# KiCad board motorgo_core_panel.kicad_pcb (continued)
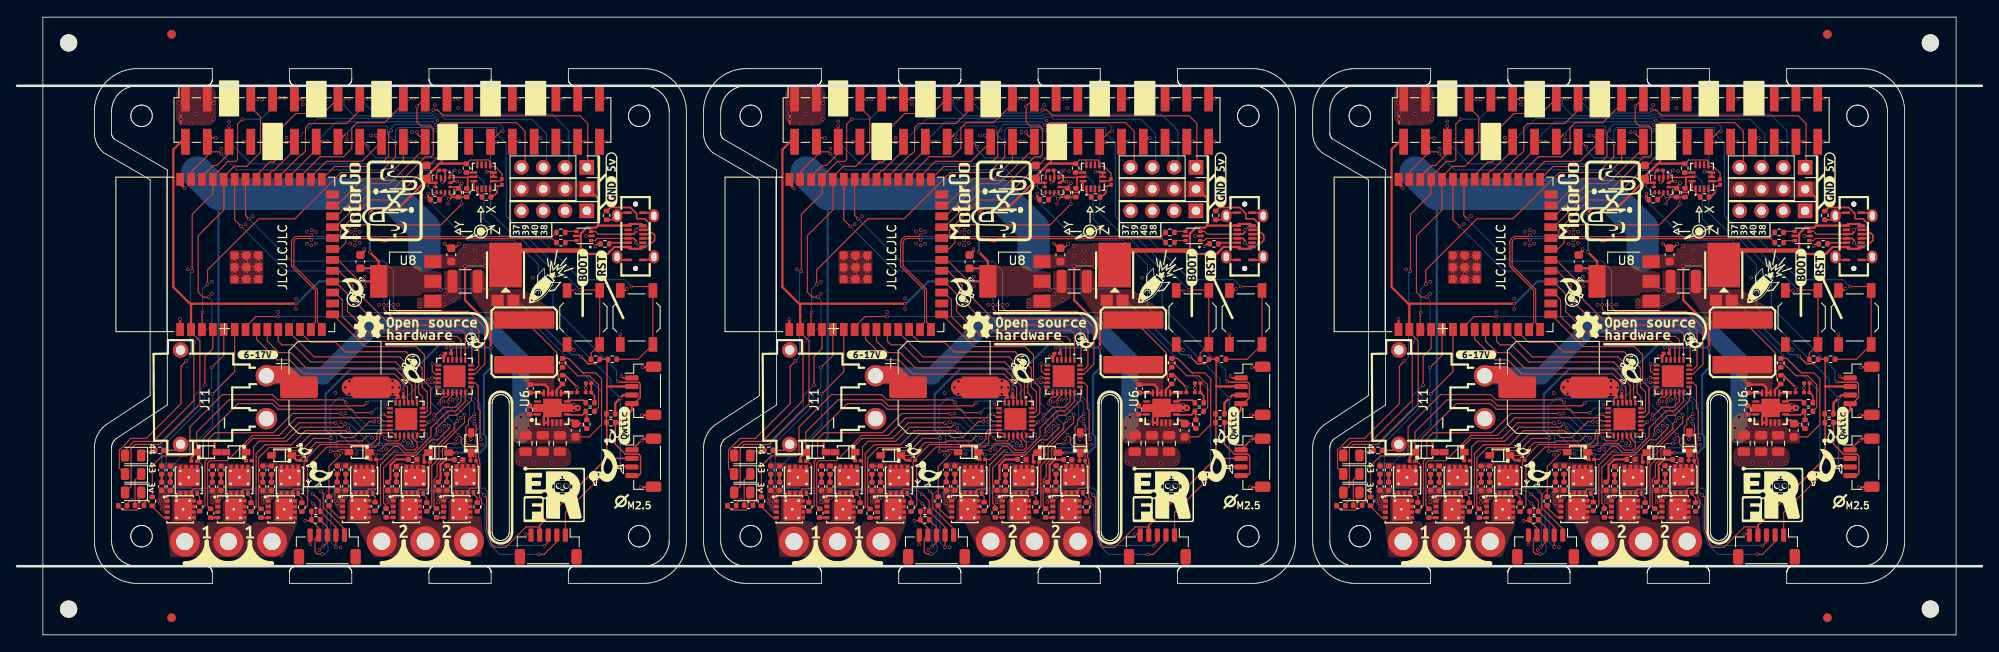
[diagram p0: board, top side]
## Placement (name value [footprint] x y rotation side) (continued)
R14  2R2  [R_0402_1005Metric]  15.75 15.56 90 top
R14#2  2R2  [R_0402_1005Metric]  157.75 15.56 90 top
R14#3  2R2  [R_0402_1005Metric]  86.75 15.56 90 top
R15  2R2  [R_0402_1005Metric]  92.26 14.93 90 top
R15#2  2R2  [R_0402_1005Metric]  21.26 14.93 90 top
R15#3  2R2  [R_0402_1005Metric]  163.26 14.93 90 top
R16  102k  [R_0402_1005Metric]  134.57 31.71 270 top
R16#2  102k  [R_0402_1005Metric]  63.57 31.71 270 top
R16#3  102k  [R_0402_1005Metric]  205.57 31.71 270 top
R17  36.5k  [R_0402_1005Metric]  63.56 29.75 90 top
R17#2  36.5k  [R_0402_1005Metric]  205.56 29.75 90 top
R17#3  36.5k  [R_0402_1005Metric]  134.56 29.75 90 top
R18  53.6k  [R_0402_1005Metric]  130.7 26.2 90 top
R18#2  53.6k  [R_0402_1005Metric]  59.7 26.2 90 top
R18#3  53.6k  [R_0402_1005Metric]  201.7 26.2 90 top
R19  3.92k  [R_0402_1005Metric]  66.78 27.05 0 top
R19#2  3.92k  [R_0402_1005Metric]  208.78 27.05 0 top
R19#3  3.92k  [R_0402_1005Metric]  137.78 27.05 0 top
R20  2R2  [R_0402_1005Metric]  190.88 14.21 90 top
R20#2  2R2  [R_0402_1005Metric]  48.88 14.21 90 top
R20#3  2R2  [R_0402_1005Metric]  119.88 14.21 90 top
R21  2R2  [R_0402_1005Metric]  195.63 14.91 90 top
R21#2  2R2  [R_0402_1005Metric]  53.63 14.91 90 top
R21#3  2R2  [R_0402_1005Metric]  124.63 14.91 90 top
R22  2R2  [R_0402_1005Metric]  114 14.21 90 top
R22#2  2R2  [R_0402_1005Metric]  43 14.21 90 top
R22#3  2R2  [R_0402_1005Metric]  185 14.21 90 top
R23  2R2  [R_0402_1005Metric]  189.75 14.91 90 top
R23#2  2R2  [R_0402_1005Metric]  47.75 14.91 90 top
R23#3  2R2  [R_0402_1005Metric]  118.75 14.91 90 top
R24  53.6k  [R_0402_1005Metric]  208.78 26.05 180 top
R24#2  53.6k  [R_0402_1005Metric]  66.78 26.05 180 top
R24#3  53.6k  [R_0402_1005Metric]  137.78 26.05 180 top
R25  10k  [R_0402_1005Metric]  66.39 24.55 270 top
R25#2  10k  [R_0402_1005Metric]  208.38 24.55 270 top
R25#3  10k  [R_0402_1005Metric]  137.38 24.55 270 top
R26  2R2  [R_0402_1005Metric]  36.35 15.59 90 top
R26#2  2R2  [R_0402_1005Metric]  107.35 15.59 90 top
R26#3  2R2  [R_0402_1005Metric]  178.35 15.59 90 top
R27  2R2  [R_0402_1005Metric]  112.71 14.96 90 top
R27#2  2R2  [R_0402_1005Metric]  183.71 14.96 90 top
R27#3  2R2  [R_0402_1005Metric]  41.71 14.96 90 top
R30  5k1  [R_0402_1005Metric]  69.2 25.76 0 top
R30#2  5k1  [R_0402_1005Metric]  140.2 25.76 0 top
R30#3  5k1  [R_0402_1005Metric]  211.2 25.76 0 top
R31  5k1  [R_0402_1005Metric]  140.21 24.74 0 top
R31#2  5k1  [R_0402_1005Metric]  69.21 24.74 0 top
R31#3  5k1  [R_0402_1005Metric]  211.21 24.74 0 top
R32  5k1  [R_0402_1005Metric]  105.8 14.4 0 top
R32#2  5k1  [R_0402_1005Metric]  34.8 14.4 0 top
R32#3  5k1  [R_0402_1005Metric]  176.8 14.4 0 top
R33  5k1  [R_0402_1005Metric]  34.8 13.4 0 top
R33#2  5k1  [R_0402_1005Metric]  105.8 13.4 0 top
R33#3  5k1  [R_0402_1005Metric]  176.8 13.4 0 top
R38  2k  [R_0402_1005Metric]  193.4 51.54 90 top
R38#2  2k  [R_0402_1005Metric]  122.4 51.54 90 top
R38#3  2k  [R_0402_1005Metric]  51.4 51.54 90 top
R39  2k  [R_0402_1005Metric]  123.4 51.54 90 top
R39#2  2k  [R_0402_1005Metric]  194.4 51.54 90 top
R39#3  2k  [R_0402_1005Metric]  52.4 51.54 90 top
R46  1k  [R_0402_1005Metric]  119.7 50.74 180 top
R46#2  1k  [R_0402_1005Metric]  48.7 50.74 180 top
R46#3  1k  [R_0402_1005Metric]  190.7 50.74 180 top
R49  1k  [R_0402_1005Metric]  196.69 51.04 0 top
R49#2  1k  [R_0402_1005Metric]  125.69 51.04 0 top
R49#3  1k  [R_0402_1005Metric]  54.69 51.04 0 top
R50  1k  [R_0402_1005Metric]  52.37 54.4 90 top
R50#2  1k  [R_0402_1005Metric]  194.37 54.4 90 top
R50#3  1k  [R_0402_1005Metric]  123.37 54.4 90 top
U1  -  [ESP32-S3-WROOM-1]  98.26 44.34 90 top
U1#2  -  [ESP32-S3-WROOM-1]  27.26 44.34 90 top
U1#3  -  [ESP32-S3-WROOM-1]  169.26 44.34 90 top
U2  USBLC6-2P6  [SOT-666]  66.05 46.5 180 top
U2#2  USBLC6-2P6  [SOT-666]  137.05 46.5 180 top
U2#3  USBLC6-2P6  [SOT-666]  208.05 46.5 180 top
U3  FD6288  [FD6288Q_QFN-24]  45.35 25.15 180 top
U3#2  FD6288  [FD6288Q_QFN-24]  187.35 25.15 180 top
U3#3  FD6288  [FD6288Q_QFN-24]  116.35 25.15 180 top
U4  FD6288  [FD6288Q_QFN-24]  192.97 30.15 180 top
U4#2  FD6288  [FD6288Q_QFN-24]  50.97 30.15 180 top
U4#3  FD6288  [FD6288Q_QFN-24]  121.97 30.15 180 top
U6  TPS54620RHLR  [VQFN-14_L3.5-W3.5-P0.50-TL-EP_TPS54622RHLT]  62.39 26.45 90 top
U6#2  TPS54620RHLR  [VQFN-14_L3.5-W3.5-P0.50-TL-EP_TPS54622RHLT]  133.38 26.45 90 top
U6#3  TPS54620RHLR  [VQFN-14_L3.5-W3.5-P0.50-TL-EP_TPS54622RHLT]  204.38 26.45 90 top
U8  AMS1117-3.3  [SOT-223-3_TabPin2]  187.3 41.2 180 top
U8#2  AMS1117-3.3  [SOT-223-3_TabPin2]  45.3 41.2 180 top
U8#3  AMS1117-3.3  [SOT-223-3_TabPin2]  116.3 41.2 180 top
U10  LIS3MDLTR  [LIS3MDLTR_LGA-12]  191.64 52.45 180 top
U10#2  LIS3MDLTR  [LIS3MDLTR_LGA-12]  120.64 52.45 180 top
U10#3  LIS3MDLTR  [LIS3MDLTR_LGA-12]  49.64 52.45 180 top
U11  LSM6DS3TR  [LSM6DSOTR_LGA-14]  125.38 53.39 0 top
U11#2  LSM6DS3TR  [LSM6DSOTR_LGA-14]  54.38 53.39 0 top
U11#3  LSM6DS3TR  [LSM6DSOTR_LGA-14]  196.38 53.39 0 top

## Library data of the parts
C1 C1#2 C1#3 C20 C20#2 C20#3 = -: Datasheet: https://www.lcsc.com/product-detail/Multilayer-Ceramic-Capacitors-MLCC-SMD-SMT_FH-Guangdong-Fenghua-Advanced-Tech-0201CG430J500NT_C3037638.html; LCSC_Part_Number: C3037638
C2 C2#2 C2#3 C15 C15#2 C15#3 C19 C19#2 C19#3 = -: Datasheet: https://www.lcsc.com/product-detail/Multilayer-Ceramic-Capacitors-MLCC-SMD-SMT_CCTC-TCC0805X5R106K250FT_C5448891.html; LCSC_Part_Number: C5448891
C3 C3#2 C3#3 C4 C4#2 C4#3 C9 C9#2 C9#3 C26 C26#2 C26#3 C33 C33#2 C33#3 C34 C34#2 C34#3 C39 C39#2 C39#3 C46 C46#2 C46#3 = -: Datasheet: https://datasheet.lcsc.com/lcsc/2203221430_YAGEO-CC0402KRX7R7BB104_C60474.pdf; Field4: CAP-12416; LCSC_Part_Number: C60474; Manufacturer_Part_Number: CC0402KRX7R7BB104
C5 C5#2 C5#3 C6 C6#2 C6#3 C7 C7#2 C7#3 C8 C8#2 C8#3 C10 C10#2 C10#3 C11 C11#2 C11#3 C12 C12#2 C12#3 C13 C13#2 C13#3 C14 C14#2 C14#3 C21 C21#2 C21#3 C27 C27#2 C27#3 C28 C28#2 C28#3 C35 C35#2 C35#3 C36 C36#2 C36#3 C37 C37#2 C37#3 C38 C38#2 C38#3 C40 C40#2 C40#3 C41 C41#2 C41#3 C42 C42#2 C42#3 C43 C43#2 C43#3 C44 C44#2 C44#3 C45 C45#2 C45#3 C47 C47#2 C47#3 C48 C48#2 C48#3 = -: Datasheet: https://datasheet.lcsc.com/lcsc/2308111745_Murata-Electronics-GRM158R61A226ME15D_C3845593.pdf; Field4: CAP-12416; LCSC_Part_Number: C3845593
C16 C16#2 C16#3 = -: Datasheet: https://www.lcsc.com/product-detail/Aluminum-Electrolytic-Capacitors-SMD_Nichicon-UWT1H221MNL1GS_C125977.html; Height: 13; Mouser Part Number: 140-RGA221M1EBK0811G; Mouser Price/Stock: https://www.mouser.co.uk/ProductDetail/Lelon/RGA221M1EBK-0811G?qs=pNDdEcSXiOD075vn7PGSsQ%3D%3D; Manufacturer_Name: Lelon; Manufacturer_Part_Number: RGA221M1EBK-0811G; LCSC_Part_Number: C125977
C17 C17#2 C17#3 = -: Datasheet: https://www.lcsc.com/product-detail/Multilayer-Ceramic-Capacitors-MLCC-SMD-SMT_HRE-CGA0603X5R475K250JT_C6119856.html; LCSC_Part_Number: C6119856
C18 C18#2 C18#3 = -: Datasheet: https://www.lcsc.com/product-detail/Multilayer-Ceramic-Capacitors-MLCC-SMD-SMT_FH-Guangdong-Fenghua-Advanced-Tech-0201X222K250NT_C285033.html; LCSC_Part_Number: C285033
C22 C22#2 C22#3 = -: Datasheet: https://www.lcsc.com/product-detail/Multilayer-Ceramic-Capacitors-MLCC-SMD-SMT_CCTC-TCC0402X5R104K250AT_C880603.html; LCSC_Part_Number: C880603
C23 C23#2 C23#3 = -: Datasheet: https://www.lcsc.com/product-detail/Multilayer-Ceramic-Capacitors-MLCC-SMD-SMT_Chinocera-HGC1210R5476M250NSVK_C7432791.html; LCSC_Part_Number: C7432791
C24 C24#2 C24#3 C25 C25#2 C25#3 = -: Datasheet: https://www.lcsc.com/product-detail/Multilayer-Ceramic-Capacitors-MLCC-SMD-SMT_Samsung-Electro-Mechanics-CL10A226MO7JZNC_C2762594.html; Height: 1.4; LCSC_Part_Number: C2762594; Manufacturer_Name: SAMSUNG; Manufacturer_Part_Number: CL21A226MQQNNNE; Mouser Part Number: 187-CL21A226MQQNNNE; Mouser Price/Stock: https://www.mouser.co.uk/ProductDetail/Samsung-Electro-Mechanics/CL21A226MQQNNNE?qs=349EhDEZ59oZnQF%252BO1HZ%252BQ%3D%3D
C30 C30#2 C30#3 C31 C31#2 C31#3 = -: Datasheet: https://www.lcsc.com/product-detail/Multilayer-Ceramic-Capacitors-MLCC-SMD-SMT_CCTC-TCC0402X5R104K250AT_C880603.html; Field4: CHANGED FOOTPRINT 6-3-24; LCSC_Part_Number: C880603
C32 C32#2 C32#3 = -: Datasheet: https://www.lcsc.com/product-detail/Multilayer-Ceramic-Capacitors-MLCC-SMD-SMT_Samsung-Electro-Mechanics-CL10A105KB8NNNC_C15849.html; LCSC_Part_Number: C15849
D1 D1#2 D1#3 = -: Datasheet: https://www.lcsc.com/product-detail/Light-Emitting-Diodes-LED_Foshan-NationStar-Optoelectronics-NCD0805B2_C84259.html; LCSC_Part_Number: C84259
D2 D2#2 D2#3 = -: Datasheet: https://www.lcsc.com/product-detail/Light-Emitting-Diodes-LED_Foshan-NationStar-Optoelectronics-NCD0805G1_C84260.html; LCSC_Part_Number: C84260
D3 D3#2 D3#3 = -: Datasheet: https://www.lcsc.com/product-detail/Light-Emitting-Diodes-LED_Foshan-NationStar-Optoelectronics-NCD0805R1_C84256.html; LCSC_Part_Number: C84256
D4 D4#2 D4#3 = -: SuppliersPartNumber: C908747; uuid: std:209a628ebac24c2f8df90420eba7d942
D5 D5#2 D5#3 D6 D6#2 D6#3 D7 D7#2 D7#3 D8 D8#2 D8#3 D9 D9#2 D9#3 D10 D10#2 D10#3 = -: LCSC_Part_Number: C7420331
J1 J1#2 J1#3 = -: Datasheet: https://www.lcsc.com/product-detail/USB-Connectors_XUNPU-TYPEC-303-ACP16_C720628.html; LCSC_Part_Number: C720628; MAXIMUM_PACKAGE_HEIGHT: 2.46mm
J2 J2#2 J2#3 J3 J3#2 J3#3 = -: Datasheet: https://www.lcsc.com/product-detail/Tactile-Switches_E-Switch-TL3342F450QG_C2886897.html
J4 J4#2 J4#3 J7 J7#2 J7#3 = -: Datasheet: https://www.lcsc.com/product-detail/Female-Headers_HCTL-PM254-2-20-S-8-5_C3975165.html; LCSC_Part_Number: C3975165
J5 J5#2 J5#3 J9 J9#2 J9#3 J12 J12#2 J12#3 = -: Description: Generic connector, single row, 01x04, script generated
J6 J6#2 J6#3 J8 J8#2 J8#3 = -: Field4: CONN-08625; LCSC_Part_Number: -
J11 J11#2 J11#3 = -: Datasheet: https://www.lcsc.com/product-detail/DC-Power-Connector_XKB-Connection-DC-005-2-5A-2-0_C319099.html; LCSC_Part_Number: C319099
J13 J13#2 J13#3 J15 J15#2 J15#3 = -: Datasheet: https://www.lcsc.com/product-detail/Wire-To-Board-Connector_JST-SM04B-SRSS-TB-LF-SN_C160404.html; Field4: CONN-13729; LCSC_Part_Number: C160404
J16 J16#2 J16#3 J18 J18#2 J18#3 = -: Datasheet: https://www.lcsc.com/product-detail/Wire-To-Board-Connector_JST-BM05B-SRSS-TBT-LF-SN_C265092.html; PARTREV: N/A; SNAPEDA_PN: BM05B-SRSS-TB(LF)(SN); STANDARD: Manufacturer Recommendations; MAXIMUM_PACKAGE_HEIGHT: 6.3 mm; MANUFACTURER: JST Sales America Inc.; LCSC_Part_Number: C265092
L1 L1#2 L1#3 = -: Datasheet: https://www.lcsc.com/datasheet/lcsc_datasheet_2303140930_FANGCHENG-FC-ALX-6030D-3R3MT_C5370922.pdf; LCSC_Part_Number: C5440776
Q1 Q1#2 Q1#3 Q2 Q2#2 Q2#3 Q3 Q3#2 Q3#3 Q4 Q4#2 Q4#3 Q5 Q5#2 Q5#3 Q6 Q6#2 Q6#3 Q7 Q7#2 Q7#3 Q8 Q8#2 Q8#3 Q9 Q9#2 Q9#3 Q10 Q10#2 Q10#3 Q11 Q11#2 Q11#3 Q12 Q12#2 Q12#3 = -: Datasheet: https://datasheet.lcsc.com/lcsc/2105241819_ALLPOWER-ShenZhen-Quan-Li-Semiconductor-AP30H80Q_C2828592.pdf; LCSC_Part_Number: C2828592
R1 R1#2 R1#3 R2 R2#2 R2#3 R3 R3#2 R3#3 R46 R46#2 R46#3 R49 R49#2 R49#3 R50 R50#2 R50#3 = -: Datasheet: https://www.lcsc.com/product-detail/Chip-Resistor-Surface-Mount_FOJAN-FRC0402J102-TS_C2906899.html; LCSC_Part_Number: C11702
R4 R4#2 R4#3 R5 R5#2 R5#3 R8 R8#2 R8#3 R9 R9#2 R9#3 R30 R30#2 R30#3 R31 R31#2 R31#3 R32 R32#2 R32#3 R33 R33#2 R33#3 = -: Datasheet: https://www.lcsc.com/product-detail/Chip-Resistor-Surface-Mount_Viking-Tech-CR-02FL6-5K1_C409700.html; LCSC_Part_Number: C25905
R6 R6#2 R6#3 R7 R7#2 R7#3 = -: Datasheet: https://www.lcsc.com/product-detail/Chip-Resistor-Surface-Mount_VO-SCR0402J0R_C3017451.html; LCSC_Part_Number: C3017451
R10 R10#2 R10#3 R11 R11#2 R11#3 R12 R12#2 R12#3 R13 R13#2 R13#3 R14 R14#2 R14#3 R15 R15#2 R15#3 R20 R20#2 R20#3 R21 R21#2 R21#3 R22 R22#2 R22#3 R23 R23#2 R23#3 R26 R26#2 R26#3 R27 R27#2 R27#3 = -: LCSC_Part_Number: C25158
R16 R16#2 R16#3 = -: Datasheet: https://www.lcsc.com/product-detail/Chip-Resistor-Surface-Mount_FOJAN-FRC0402F1023TS_C2933066.html; LCSC_Part_Number: C2933066
R17 R17#2 R17#3 = -: Datasheet: https://www.lcsc.com/product-detail/Chip-Resistor-Surface-Mount_UNI-ROYAL-Uniroyal-Elec-0402WGF3652TCE_C25887.html; LCSC_Part_Number: C25887
R18 R18#2 R18#3 = -: Datasheet: https://www.lcsc.com/product-detail/Chip-Resistor-Surface-Mount_FOJAN-FRC0402F5362TS_C5153961.html; LCSC_Part_Number: C5153961
R19 R19#2 R19#3 = -: Datasheet: https://www.lcsc.com/product-detail/Chip-Resistor-Surface-Mount_FOJAN-FRC0402F3401TS_C3013164.html; LCSC_Part_Number: C3013164
R24 R24#2 R24#3 = -: Datasheet: https://www.lcsc.com/product-detail/Chip-Resistor-Surface-Mount_FOJAN-FRC0402F5232TS_C2998086.html; LCSC_Part_Number: C2998086
R25 R25#2 R25#3 = -: Datasheet: https://www.lcsc.com/product-detail/Chip-Resistor-Surface-Mount_FOJAN-FRC0402J103-TS_C2906885.html; LCSC_Part_Number: C2906885
R38 R38#2 R38#3 R39 R39#2 R39#3 = -: Datasheet: https://www.lcsc.com/product-detail/Chip-Resistor-Surface-Mount_UNI-ROYAL-Uniroyal-Elec-0402WGF2001TCE_C4109.html; LCSC_Part_Number: C4109
U1 U1#2 U1#3 = -: Datasheet: https://www.lcsc.com/product-detail/WiFi-Modules_Espressif-Systems-ESP32-S3-WROOM-1-N8_C2913198.html; LCSC_Part_Number: C2913198
U2 U2#2 U2#3 = -: Datasheet: https://www.lcsc.com/product-detail/Electrostatic-and-Surge-Protection-TVS-ESD_TECH-PUBLIC-USBLC6-2P6_C2827693.html; LCSC_Part_Number: C2827693
U3 U3#2 U3#3 U4 U4#2 U4#3 = -: Datasheet: https://datasheet.lcsc.com/lcsc/1811131655_Fortior-Tech-FD6288Q_C328453.pdf; LCSC_Part_Number: C328453
U6 U6#2 U6#3 = -: Datasheet: https://www.lcsc.com/product-detail/DC-DC-Converters_Texas-Instruments-TPS54620RHLR_C263274.html; SuppliersPartNumber: C263274; uuid: std:22c093bd3f0e4f169efe6636adc161b3; LCSC_Part_Number: C263274
U8 U8#2 U8#3 = -: Datasheet: https://www.lcsc.com/product-detail/Linear-Voltage-Regulators-LDO_UMW-Youtai-Semiconductor-Co-Ltd-AMS1117-3-3_C347222.html; LCSC_Part_Number: C347222
U10 U10#2 U10#3 = -: Datasheet: https://www.lcsc.com/product-detail/Linear-Hall-Sensors_STMicroelectronics-LIS3MDLTR_C478483.html; SuppliersPartNumber: C478483; uuid: std:3c4a1927816047c0b32d8307cf40d91b; LCSC_Part_Number: C478483
U11 U11#2 U11#3 = -: Datasheet: https://www.lcsc.com/product-detail/Attitude-Sensor-Gyroscope_STMicroelectronics-LSM6DS3TR_C95230.html; SuppliersPartNumber: C95230; uuid: std:bcd93c2961e24e71bfff3f976058f13a; LCSC_Part_Number: C95230

## Footprints (pads in the part's own frame, mm; a bottom-side part is the same pattern mirrored in y, then rotated)
3 phase motor
  custom 3.5x3.5 hole 2: 1(-5.08,0) 2(0,0) 3(5.08,0)
AP30H80Q_DFN-8
  rect 0.4x0.6 smd: 1(-0.975,-1.52) 2(-0.325,-1.52) 3(0.325,-1.52) 4(0.975,-1.52) 5(0.975,1.52) 6(0.325,1.52) 7(-0.325,1.52) 8(-0.975,1.52)
  round 0.6 hole 0.3: 9(-1,1.1) 9(-1,-0.4) 9(0,0.35) 9(1,1.1) 9(1,-0.4)
  rect 2.6x2.05 smd: 9(0,0.35)
B5819WS_SOD-323
  rect 1x0.75 smd: 1(-1.173,0) 2(1.173,0)
C_0201_0603Metric
  rrect 0.318x0.36 smd: (-0.345,0) (0.345,0)
  rrect 0.46x0.4 smd: 1(-0.32,0) 2(0.32,0)
C_0402_1005Metric
  rrect 0.56x0.62 smd: 1(-0.48,0) 2(0.48,0)
C_0603_1608Metric
  rrect 0.9x0.95 smd: 1(-0.775,0) 2(0.775,0)
C_0805_2012Metric
  rrect 1x1.45 smd: 1(-0.95,0) 2(0.95,0)
C_1210_3225Metric
  rrect 1.15x2.7 smd: 1(-1.475,0) 2(1.475,0)
CONN-TH_XT30PW-M
  round 2.5 hole 1.8: 1(-2.5,5) 2(2.5,5)
  round 1.8 hole 1.1: 3(5.5,-5) 4(-5.5,-5)
CP_Elec_10x10.5
  rrect 4.4x2.5 smd: 1(-4.2,0) 2(4.2,0)
ESP32-S3-WROOM-1
  rect 1.5x0.9 smd: 1(-8.75,8.26) 2(-8.75,6.99) 3(-8.75,5.72) 4(-8.75,4.45) 5(-8.75,3.18) 6(-8.75,1.91) 7(-8.75,0.64) 8(-8.75,-0.63) 9(-8.75,-1.9) 10(-8.75,-3.17) 11(-8.75,-4.44) 12(-8.75,-5.71) 13(-8.75,-6.98) 14(-8.75,-8.25) 27(8.75,-8.25) 28(8.75,-6.98) 29(8.75,-5.71) 30(8.75,-4.44) 31(8.75,-3.17) 32(8.75,-1.9) 33(8.75,-0.63) 34(8.75,0.64) 35(8.75,1.91) 36(8.75,3.18) 37(8.75,4.45) 38(8.75,5.72) 39(8.75,6.99) 40(8.75,8.26)
  rect 0.9x1.5 smd: 15(-6.985,-9.5) 16(-5.715,-9.5) 17(-4.445,-9.5) 18(-3.175,-9.5) 19(-1.905,-9.5) 20(-0.635,-9.5) 21(0.635,-9.5) 22(1.905,-9.5) 23(3.175,-9.5) 24(4.445,-9.5) 25(5.715,-9.5) 26(6.985,-9.5)
  rect 0.9x0.9 smd: 41(-2.9,1.94) 41(-2.9,0.54) 41(-2.9,-0.86) 41(-1.5,1.94) 41(-1.5,0.54) 41(-1.5,-0.86) 41(-0.1,1.94) 41(-0.1,0.54) 41(-0.1,-0.86)
FD6288Q_QFN-24
  rect 0.28x0.665 smd: 1(-1.25,-1.908) 2(-0.75,-1.908) 3(-0.25,-1.908) 4(0.25,-1.908) 5(0.75,-1.908) 6(1.25,-1.908) 13(1.25,1.908) 14(0.75,1.908) 15(0.25,1.908) 16(-0.25,1.908) 17(-0.75,1.908) 18(-1.25,1.908)
  rect 0.665x0.28 smd: 7(1.908,-1.25) 8(1.908,-0.75) 9(1.908,-0.25) 10(1.908,0.25) 11(1.908,0.75) 12(1.908,1.25) 19(-1.908,1.25) 20(-1.908,0.75) 21(-1.908,0.25) 22(-1.908,-0.25) 23(-1.908,-0.75) 24(-1.908,-1.25)
  rect 2.55x2.55 smd: 25(0,0)
Fiducial
  round 1 smd: (0,0)
IND-SMD_L6.6-W6.4_CKSTT0610
  rect 2x7 smd: 1(-2.6,0) 2(2.6,0)
JST_SH_BM04B-SRSS-TB_1x04-1MP_P1.00mm_Vertical
  rrect 1.2x1.8 smd: 1(-2.8,1.2) 1(2.8,1.2)
  rrect 0.6x1.55 smd: 1(-1.5,-1.325) 2(-0.5,-1.325) 3(0.5,-1.325) 4(1.5,-1.325)
JST_SH_BM05B-SRSS-TB_1x05-1MP_P1.00mm_Vertical
  rrect 0.6x1.55 smd: 1(-2,-1.325) 2(-1,-1.325) 3(0,-1.325) 4(1,-1.325) 5(2,-1.325)
  rrect 1.2x1.8 smd: MP(-3.3,1.2) MP(3.3,1.2)
LED_0805_2012Metric
  rrect 0.975x1.4 smd: 1(-0.938,0) 2(0.938,0)
LIS3MDLTR_LGA-12
  rect 0.28x0.5 smd: 1(-0.75,-0.875) 2(-0.25,-0.875) 3(0.25,-0.875) 4(0.75,-0.875) 7(0.75,0.875) 8(0.25,0.875) 9(-0.25,0.875) 10(-0.75,0.875)
  rect 0.5x0.28 smd: 5(0.875,-0.25) 6(0.875,0.25) 11(-0.875,0.25) 12(-0.875,-0.25)
LSM6DSOTR_LGA-14
  rect 0.28x0.785 smd: 1(-0.75,-1.392) 2(-0.25,-1.392) 3(0.25,-1.392) 4(0.75,-1.392) 8(0.75,1.392) 9(0.25,1.392) 10(-0.25,1.392) 11(-0.75,1.392)
  rect 0.785x0.28 smd: 5(1.142,-0.5) 6(1.142,0) 7(1.142,0.5) 12(-1.142,0.5) 13(-1.142,0) 14(-1.142,-0.5)
NPTH
  round 2 hole 2 unplated: (0,0)
PinHeader_1x04_P2.54mm_Vertical
  rect 1.7x1.7 hole 1: 1(0,0)
  oval 1.7x1.7 hole 1: 2(0,-2.54) 3(0,-5.08) 4(0,-7.62)
PinSocket_2x20_P2.54mm_Vertical_SMD
  rect 3x1 smd: 1(2.52,24.13) 2(-2.52,24.13) 3(2.52,21.59) 4(-2.52,21.59) 5(2.52,19.05) 6(-2.52,19.05) 7(2.52,16.51) 8(-2.52,16.51) 9(2.52,13.97) 10(-2.52,13.97) 11(2.52,11.43) 12(-2.52,11.43) 13(2.52,8.89) 14(-2.52,8.89) 15(2.52,6.35) 16(-2.52,6.35) 17(2.52,3.81) 18(-2.52,3.81) 19(2.52,1.27) 20(-2.52,1.27) 21(2.52,-1.27) 22(-2.52,-1.27) 23(2.52,-3.81) 24(-2.52,-3.81) 25(2.52,-6.35) 26(-2.52,-6.35) 27(2.52,-8.89) 28(-2.52,-8.89) 29(2.52,-11.43) 30(-2.52,-11.43) 31(2.52,-13.97) 32(-2.52,-13.97) 33(2.52,-16.51) 34(-2.52,-16.51) 35(2.52,-19.05) 36(-2.52,-19.05) 37(2.52,-21.59) 38(-2.52,-21.59) 39(2.52,-24.13) 40(-2.52,-24.13)
R_0402_1005Metric
  rrect 0.54x0.64 smd: 1(-0.51,0) 2(0.51,0)
SOT-223-3_TabPin2
  rect 2x1.5 smd: 1(-3.15,2.3) 2(-3.15,0) 3(-3.15,-2.3)
  rect 2x3.8 smd: 2(3.15,0)
SOT-666
  rect 0.5x0.375 smd: 1(-0.85,0.537) 3(-0.85,-0.537) 4(0.85,-0.537) 6(0.85,0.537)
  rect 0.65x0.3 smd: 2(-0.925,0) 5(0.925,0)
SW_SPST_TL3342
  rect 1.7x1 smd: 1(-3.15,1.9) 1(3.15,1.9) 2(-3.15,-1.9) 2(3.15,-1.9)
TO-277_3P-L5.4-W4.0-LS6.5-TR
  rect 1.29x1.422 smd: 1(2.054,0.92) 3(2.054,-0.92)
  rect 5.2x3.8 smd: 2(-2.054,0)
USB-C-SMD_TYPEC-303-ACP16
  round 0.6 hole 0.6 unplated: (-3.75,0) (3.75,0)
  oval 1.5x1.2 hole 1x0.61: 1(-2.4,2.15) 2(-2.4,-2.15) 3(2.4,2.15) 4(2.4,-2.15)
  rect 0.3x0.87 smd: A1(-2.75,0.865) A4(-1.25,0.865) A5(-0.75,0.865) A6(-0.25,0.865) A7(0.25,0.865) A8(0.75,0.865) A9(1.25,0.865) A12(2.75,0.865) B1(2.75,-0.865) B4(1.25,-0.865) B5(0.75,-0.865) B6(0.25,-0.865) B7(-0.25,-0.865) B8(-0.75,-0.865) B9(-1.25,-0.865) B12(-2.75,-0.865)
VQFN-14_L3.5-W3.5-P0.50-TL-EP_TPS54622RHLT
  rect 0.28x0.8 smd: 1(-0.75,1.725) 7(-0.75,-1.725) 8(0.75,-1.725) 14(0.75,1.725)
  rect 0.8x0.28 smd: 2(-1.725,1) 3(-1.725,0.5) 4(-1.725,0) 5(-1.725,-0.5) 6(-1.725,-1) 9(1.725,-1) 10(1.725,-0.5) 11(1.725,0) 12(1.725,0.5) 13(1.725,1)
  custom 2.152x4.44 smd: 15(0,0)

## Nets
Board_0-+3.3V: C25#2.1 C31#2.1 C32#3.1 D3#2.2 J4#3.2 J4#3.18 J13#3.2 J15#3.2 J16.4 J18.4 R8.1 R9#3.1 R30.1 R31#2.1 R32#2.1 R33.1 R38#3.1 R39#3.1 R50.2 U1#2.2 U8#2.2 U10#3.5 U10#3.6 U10#3.10 U11#2.5 U11#2.8
Board_0-+5V: C3.1 C24#2.1 C33#3.1 D4#3.2 D5#3.2 D6#2.2 D7#3.2 D8.2 D9.2 D10#2.2 J1#2.A4 J1#2.A9 J1#2.B4 J1#2.B9 J4#3.1 J4#3.3 J7.2 J7.4 J12#2.1 J12#2.2 J12#2.3 J12#2.4 U2.5 U3.4 U4#2.4 U8#2.3
Board_0-+BATT: C2#3.1 C5#2.2 C7.2 C10#3.2 C12.2 C14#3.2 C15#2.1 C16#2.1 C17#3.1 C19.1 C27.2 C35#3.2 C37#2.2 C40.2 C42#2.2 C44.2 C47#2.2 J11#2.1 Q1#2.5 Q1#2.6 Q1#2.7 Q1#2.8 Q1#2.9 Q3#3.5 Q3#3.6 Q3#3.7 Q3#3.8 Q3#3.9 Q5.5 Q5.6 Q5.7 Q5.8 Q5.9 Q7#3.5 Q7#3.6 Q7#3.7 Q7#3.8 Q7#3.9 Q9.5 Q9.6 Q9.7 Q9.8 Q9.9 Q11.5 Q11.6 Q11.7 Q11.8 Q11.9 R16#2.1 U6.4 U6.5 U6.6
Board_0-/connectors.enc1.cs: J16.1 U1#2.6
Board_0-/connectors.enc2.cs: J18.1 U1#2.7
Board_0-/connectors.enc_scl: J16.2 J18.2 R32#2.2 U1#2.5
Board_0-/connectors.enc_sda: J16.3 J18.3 R33.2 U1#2.4
Board_0-/i2c_1.scl: R39#3.2 U1#2.22 U10#3.1 U11#2.13
Board_0-/i2c_1.sda: R38#3.2 U1#2.21 U10#3.11 U11#2.14
Board_0-boot: J2#2.2 J4#3.30 J7.29 R8.2 U1#2.27
Board_0-GND: C1#3.2 C2#3.2 C3.2 C6.1 C8.1 C11#3.1 C13#2.1 C15#2.2 C16#2.2 C17#3.2 C18#2.2 C19.2 C20.2 C21.1 C23#2.2 C24#2.2 C25#2.2 C28.1 C30#2.1 C31#2.2 C32#3.2 C33#3.2 C36#3.1 C38#3.1 C41#2.1 C43.1 C45#3.1 C48#2.1 J1#2.1 J1#2.2 J1#2.3 J1#2.4 J1#2.A1 J1#2.A12 J1#2.B1 J1#2.B12 J2#2.1 J3.2 J4#3.5 J4#3.10 J4#3.13 J4#3.19 J4#3.26 J4#3.29 J4#3.33 J4#3.40 J7.6 J7.9 J7.14 J7.20 J7.25 J7.30 J7.34 J7.39 J9#2.1 J9#2.2 J9#2.3 J9#2.4 J11#2.2 J11#2.3 J11#2.4 J13#3.1 J15#3.1 J16.5 J18.5 Q2#3.1 Q2#3.2 Q2#3.3 Q4#3.1 Q4#3.2 Q4#3.3 Q6.1 Q6.2 Q6.3 Q8#2.1 Q8#2.2 Q8#2.3 Q10.1 Q10.2 Q10.3 Q12#2.1 Q12#2.2 Q12#2.3 R1#3.2 R2.2 R3.2 R4#3.1 R5.1 R17.2 R18#2.2 R25.2 R46#2.2 R49#3.2 U1#2.1 U1#2.40 U1#2.41 U2.2 U3.6 U4#2.6 U6.2 U6.3 U6.15 U8#2.1 U10#3.2 U10#3.3 U10#3.12 U11#2.6 U11#2.7
Board_0-gpio21: J4#3.23 J7.24 U1#2.23
Board_0-gpio35: J4#3.20 J7.19 U1#2.28
Board_0-gpio36: J4#3.21 J7.22 U1#2.29
Board_0-gpio37: J4#3.14 J5#3.4 J7.13 U1#2.30
Board_0-gpio38: J4#3.17 J5#3.1 J7.18 U1#2.31
Board_0-gpio39: J4#3.12 J5#3.3 J7.11 U1#2.32
Board_0-gpio40: J4#3.15 J5#3.2 J7.16 U1#2.33
Board_0-gpio43: D2#2.2 J4#3.9 J7.10 U1#2.37
Board_0-gpio44: D1#3.2 J4#3.7 J7.8 U1#2.36
Board_0-gpio47: J4#3.24 J7.23 U1#2.24
Board_0-gpio48: J4#3.22 J7.21 U1#2.25
Board_0-m1_uh: U1#2.15 U3.22
Board_0-m1_ul: U1#2.10 U3.1
Board_0-m1_vh: U1#2.12 U3.23
Board_0-m1_vl: U1#2.9 U3.2
Board_0-m1_wh: U1#2.11 U3.24
Board_0-m1_wl: U1#2.8 U3.3
Board_0-m2_uh: U1#2.34 U4#2.22
Board_0-m2_ul: U1#2.19 U4#2.1
Board_0-m2_vh: U1#2.35 U4#2.23
Board_0-m2_vl: U1#2.18 U4#2.2
Board_0-m2_wh: U1#2.20 U4#2.24
Board_0-m2_wl: U1#2.17 U4#2.3
Board_0-Net-(C1-Pad1): C1#3.1 C20.1 R19.2
Board_0-Net-(C5-Pad1): C5#2.1 C6.2
Board_0-Net-(C7-Pad1): C7.1 C8.2
Board_0-Net-(C10-Pad1): C10#3.1 C11#3.2
Board_0-Net-(C12-Pad1): C12.1 C13#2.2
Board_0-Net-(C14-Pad1): C14#3.1 C21.2
Board_0-Net-(C22-Pad1): C22#2.1 L1#2.1 U6.11 U6.12
Board_0-Net-(C23-Pad1): C23#2.1 D4#3.1 D4#3.3 L1#2.2 R24#2.1
Board_0-Net-(C27-Pad1): C27.1 C28.2
Board_0-Net-(C35-Pad1): C35#3.1 C36#3.2
Board_0-Net-(C37-Pad1): C37#2.1 C38#3.2
Board_0-Net-(C40-Pad1): C40.1 C41#2.2
Board_0-Net-(C42-Pad1): C42#2.1 C43.2
Board_0-Net-(C44-Pad1): C44.1 C45#3.2
Board_0-Net-(C47-Pad1): C47#2.1 C48#2.2
Board_0-Net-(D1-K): D1#3.1 R1#3.1
Board_0-Net-(D2-K): D2#2.1 R2.1
Board_0-Net-(D3-K): D3#2.1 R3.1
Board_0-Net-(D5-K): C4.2 D5#3.1 U3.20
Board_0-Net-(D6-K): C9.2 D6#2.1 U3.17
Board_0-Net-(D7-K): C26#2.2 D7#3.1 U3.14
Board_0-Net-(D8-K): C34#2.2 D8.1 U4#2.20
Board_0-Net-(D9-K): C39.2 D9.1 U4#2.17
Board_0-Net-(D10-K): C46#2.2 D10#2.1 U4#2.14
Board_0-Net-(J1-CC1): J1#2.A5 R4#3.2
Board_0-Net-(J1-CC2): J1#2.B5 R5.2
Board_0-Net-(J1-DN1): J1#2.A7 J1#2.B7 U2.3
Board_0-Net-(J1-DP1): J1#2.A6 J1#2.B6 U2.1
Board_0-Net-(Q1-G): Q1#2.4 R15#2.2
Board_0-Net-(Q2-G): Q2#3.4 R14.1
Board_0-Net-(Q3-G): Q3#3.4 R13.2
Board_0-Net-(Q4-G): Q4#3.4 R12.1
Board_0-Net-(Q5-G): Q5.4 R11#2.2
Board_0-Net-(Q6-G): Q6.4 R10#3.1
Board_0-Net-(Q7-G): Q7#3.4 R27#3.2
Board_0-Net-(Q8-G): Q8#2.4 R26.1
Board_0-Net-(Q9-G): Q9.4 R23#2.2
Board_0-Net-(Q10-G): Q10.4 R22#2.1
Board_0-Net-(Q11-G): Q11.4 R21#2.2
Board_0-Net-(Q12-G): Q12#2.4 R20#2.1
Board_0-Net-(R6-Pad2): R6#2.2 U2.6
Board_0-Net-(R7-Pad2): R7#3.2 U2.4
Board_0-Net-(U3-HO1): R15#2.1 U3.19
Board_0-Net-(U3-HO2): R13.1 U3.16
Board_0-Net-(U3-HO3): R11#2.1 U3.13
Board_0-Net-(U3-LO1): R14.2 U3.11
Board_0-Net-(U3-LO2): R12.2 U3.10
Board_0-Net-(U3-LO3): R10#3.2 U3.9
Board_0-Net-(U3-VS1): C4.1 J6#3.1 Q1#2.1 Q1#2.2 Q1#2.3 Q2#3.5 Q2#3.6 Q2#3.7 Q2#3.8 Q2#3.9 U3.18
Board_0-Net-(U3-VS2): C9.1 J6#3.2 Q3#3.1 Q3#3.2 Q3#3.3 Q4#3.5 Q4#3.6 Q4#3.7 Q4#3.8 Q4#3.9 U3.15
Board_0-Net-(U3-VS3): C26#2.1 J6#3.3 Q5.1 Q5.2 Q5.3 Q6.5 Q6.6 Q6.7 Q6.8 Q6.9 U3.12
Board_0-Net-(U4-HO1): R27#3.1 U4#2.19
Board_0-Net-(U4-HO2): R23#2.1 U4#2.16
Board_0-Net-(U4-HO3): R21#2.1 U4#2.13
Board_0-Net-(U4-LO1): R26.2 U4#2.11
Board_0-Net-(U4-LO2): R22#2.2 U4#2.10
Board_0-Net-(U4-LO3): R20#2.2 U4#2.9
Board_0-Net-(U4-VS1): C34#2.1 J8.1 Q7#3.1 Q7#3.2 Q7#3.3 Q8#2.5 Q8#2.6 Q8#2.7 Q8#2.8 Q8#2.9 U4#2.18
Board_0-Net-(U4-VS2): C39.1 J8.2 Q9.1 Q9.2 Q9.3 Q10.5 Q10.6 Q10.7 Q10.8 Q10.9 U4#2.15
Board_0-Net-(U4-VS3): C46#2.1 J8.3 Q11.1 Q11.2 Q11.3 Q12#2.5 Q12#2.6 Q12#2.7 Q12#2.8 Q12#2.9 U4#2.12
Board_0-Net-(U6-BOOT): C22#2.2 U6.13
Board_0-Net-(U6-COMP): R19.1 U6.8
Board_0-Net-(U6-EN): R16#2.2 R17.1 U6.10
Board_0-Net-(U6-RT/CLK): R18#2.1 U6.1
Board_0-Net-(U6-SS/TR): C18#2.1 U6.9
Board_0-Net-(U6-VSENSE): R24#2.2 R25.1 U6.7
Board_0-Net-(U10-C1): C30#2.2 U10#3.4
Board_0-Net-(U10-SD0/SA1): R46#2.1 U10#3.9
Board_0-Net-(U11-CS): R50.1 U11#2.12
Board_0-Net-(U11-SDO/SA0): R49#3.1 U11#2.1
Board_0-p7: J4#3.8 J7.7
Board_0-p12: J4#3.11 J7.12
Board_0-p26: J4#3.25 J7.26
Board_0-p31: J4#3.32 J7.31
Board_0-p32: J4#3.31 J7.32
Board_0-p33: J4#3.34 J7.33
Board_0-p35: J4#3.36 J7.35
Board_0-p36: J4#3.35 J7.36
Board_0-p37: J4#3.38 J7.37
Board_0-p38: J4#3.37 J7.38
Board_0-p40: J4#3.39 J7.40
Board_0-reset: J3.1 J4#3.16 J7.15 R9#3.2 U1#2.3
Board_0-scl: J4#3.6 J7.5 J13#3.4 J15#3.4 R31#2.2 U1#2.38
Board_0-sda: J4#3.4 J7.3 J13#3.3 J15#3.3 R30.2 U1#2.39
Board_0-unconnected-(J1-SBU1-PadA8): J1#2.A8
Board_0-unconnected-(J1-SBU2-PadB8): J1#2.B8
Board_0-unconnected-(J4-Pin_27-Pad27): J4#3.27
Board_0-unconnected-(J4-Pin_28-Pad28): J4#3.28
Board_0-unconnected-(J7-Pin_1-Pad1): J7.1
Board_0-unconnected-(J7-Pin_17-Pad17): J7.17
Board_0-unconnected-(J7-Pin_27-Pad27): J7.27
Board_0-unconnected-(J7-Pin_28-Pad28): J7.28
Board_0-unconnected-(U1-GPIO45-Pad26): U1#2.26
Board_0-unconnected-(U1-GPIO46-Pad16): U1#2.16
Board_0-unconnected-(U3-NC-Pad5): U3.5
Board_0-unconnected-(U3-NC-Pad7): U3.7
Board_0-unconnected-(U3-NC-Pad8): U3.8
Board_0-unconnected-(U3-NC-Pad21): U3.21
Board_0-unconnected-(U4-NC-Pad5): U4#2.5
Board_0-unconnected-(U4-NC-Pad7): U4#2.7
Board_0-unconnected-(U4-NC-Pad8): U4#2.8
Board_0-unconnected-(U4-NC-Pad21): U4#2.21
Board_0-unconnected-(U6-PWRGD-Pad14): U6.14
Board_0-unconnected-(U10-DRDY-Pad8): U10#3.8
Board_0-unconnected-(U10-INT-Pad7): U10#3.7
Board_0-unconnected-(U11-INT1-Pad4): U11#2.4
Board_0-unconnected-(U11-INT2-Pad9): U11#2.9
Board_0-unconnected-(U11-NC-Pad10): U11#2.10
Board_0-unconnected-(U11-NC-Pad11): U11#2.11
Board_0-unconnected-(U11-SCX-Pad3): U11#2.3
Board_0-unconnected-(U11-SDX-Pad2): U11#2.2
Board_0-usb_d+: R6#2.1 U1#2.14
Board_0-usb_d-: R7#3.1 U1#2.13
Board_1-+3.3V: C25#3.1 C31#3.1 C32.1 D3.2 J4#2.2 J4#2.18 J13#2.2 J15#2.2 J16#3.4 J18#2.4 R8#2.1 R9#2.1 R30#2.1 R31.1 R32.1 R33#2.1 R38#2.1 R39.1 R50#3.2 U1.2 U8#3.2 U10#2.5 U10#2.6 U10#2.10 U11.5 U11.8
Board_1-+5V: C3#3.1 C24#3.1 C33.1 D4.2 D5#2.2 D6.2 D7#2.2 D8#2.2 D9#3.2 D10#3.2 J1#3.A4 J1#3.A9 J1#3.B4 J1#3.B9 J4#2.1 J4#2.3 J7#2.2 J7#2.4 J12#3.1 J12#3.2 J12#3.3 J12#3.4 U2#2.5 U3#3.4 U4#3.4 U8#3.3
